# Altium PCB 51最小系统.PcbDoc (part 1 of 2)
Units mil, origin at the board's own origin, x right, y up, seen from the top; angles counter-clockwise.
Board outline 6000 x 4000 mil, 2 copper layers (Top Layer, Bottom Layer); 22 components, 39 nets, 138 pads, 0 vias.
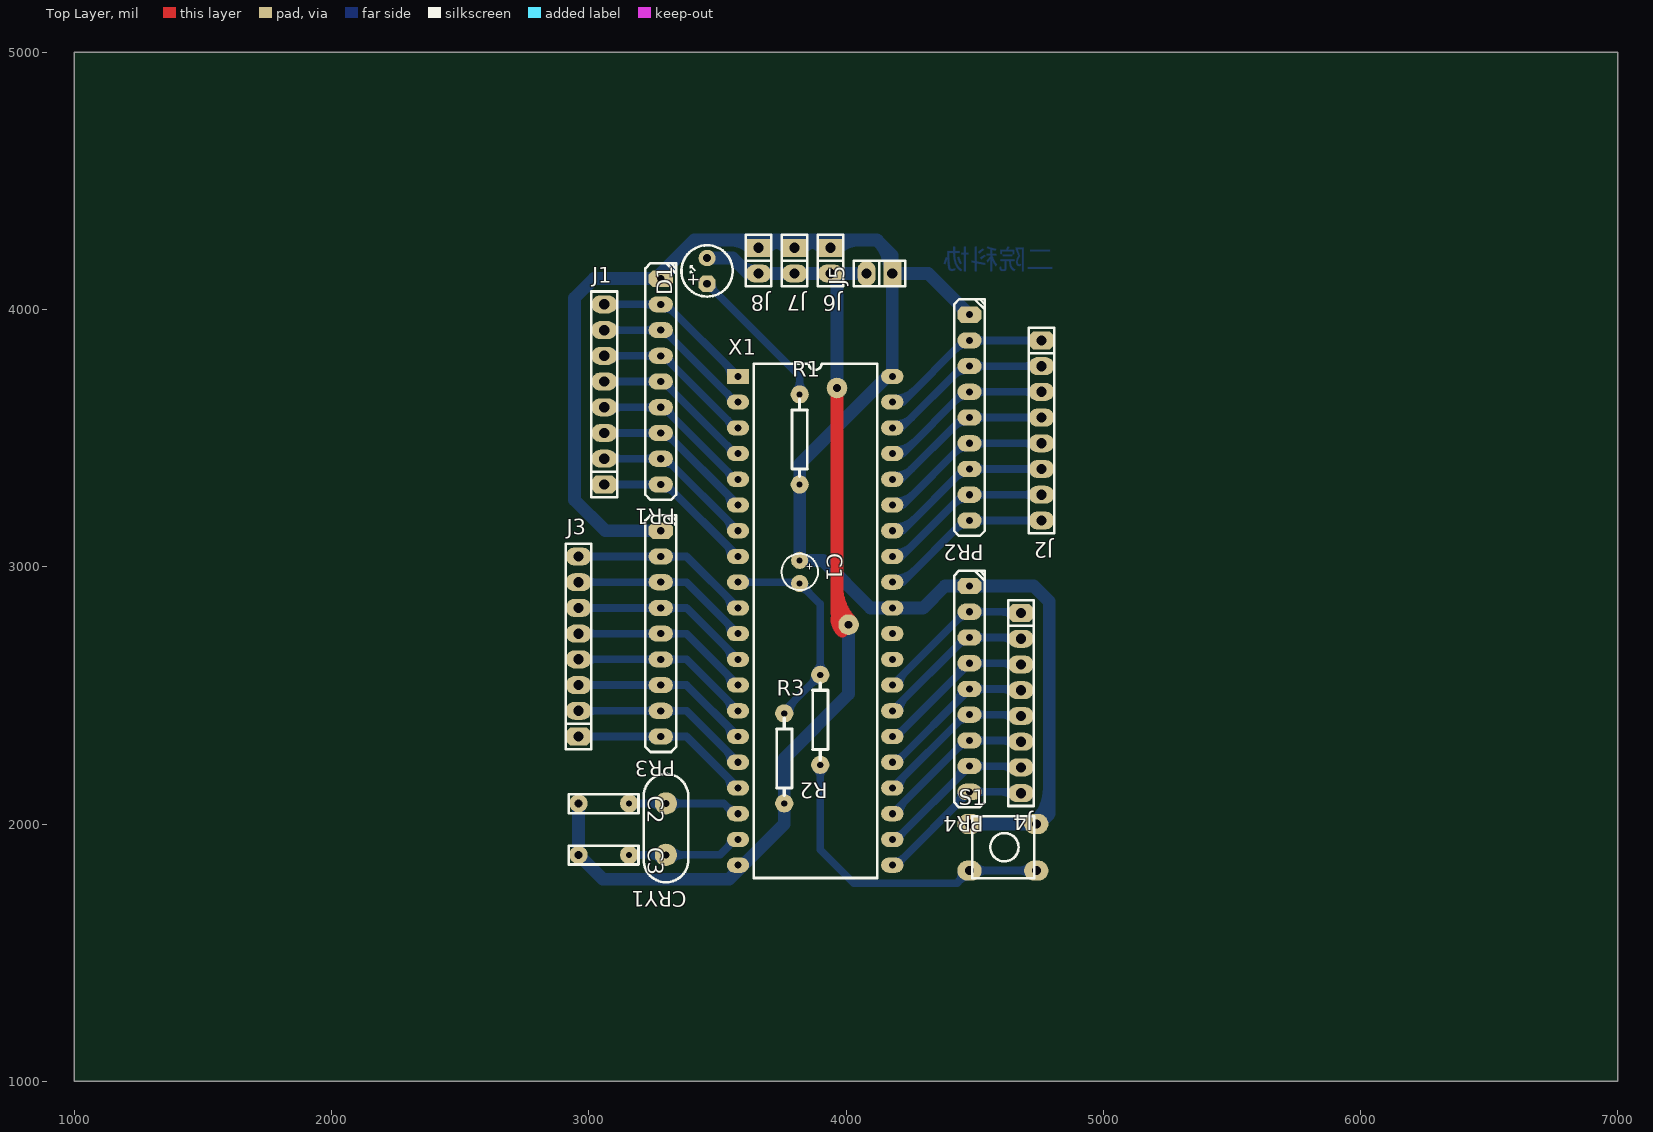
[diagram p0: Top Layer view]
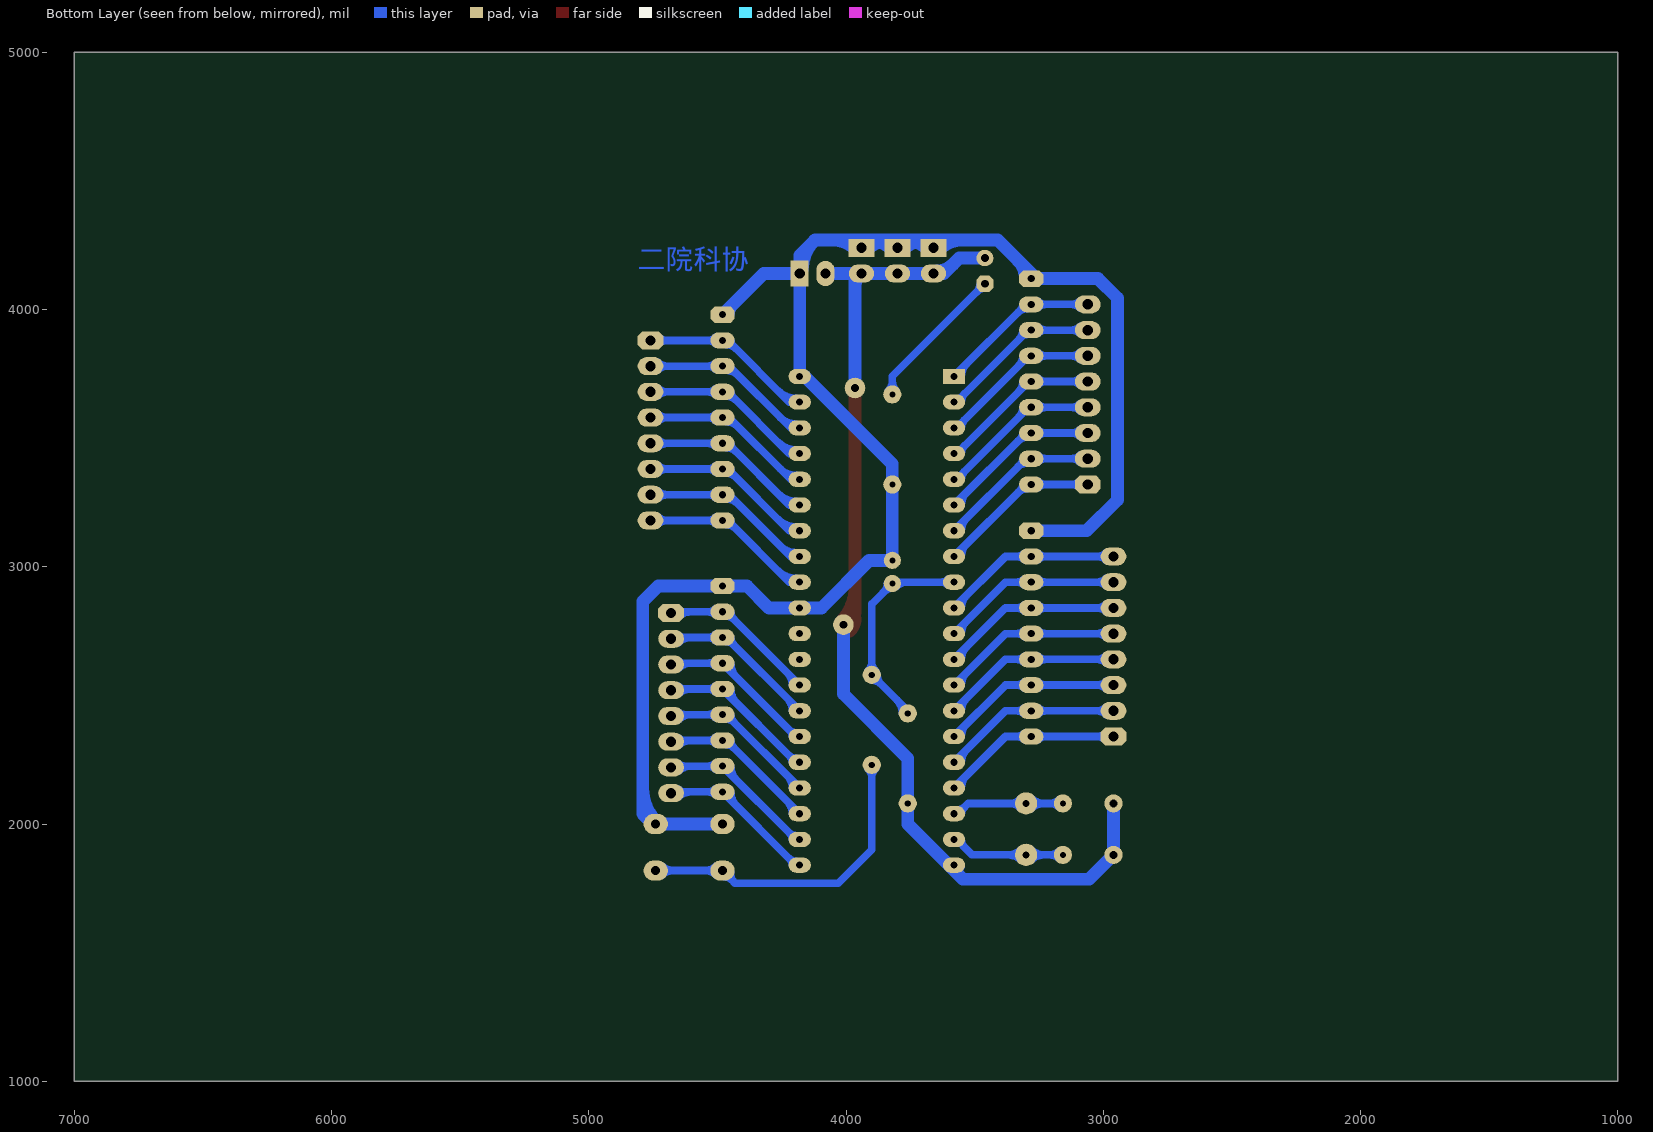
[diagram p1: Bottom Layer view, seen from below]

## Layer stack, top to bottom
Top Layer: signal copper 1.4
Dielectric: dielectric 12.6, FR-4, Dk 4.8
Bottom Layer: signal copper 1.4

## Board outline
1000,1000 7000,1000 7000,5000 1000,5000

## Design rules (kind name [scope] priority, off if disabled: settings)
Clearance [All] p1: gap=10
ComponentClearance [All] p1 off: gap=10 collisioncheckmode=3 verticalgap=10 showdistances=FALSE
Height [All] p1 off: minheight=0 maxheight=1000 prefheight=500
PolygonConnect [All] p1: connectstyle=Relief reliefconductorwidth=10 reliefentries=4 polygonreliefangle="90 Angle"
RoutingVias [All] p1: holewidth=28 width=50 viastyle="Through Hole" minholewidth=28 minwidth=50 maxholewidth=28 maxwidth=50
SilkscreenOverComponentPads [All] p1: minsilkscreentomaskgap=10
SolderMaskExpansion [All] p1: expansion=4
Width [All] p1: maxlimit=100 minlimit=10 preferedwidth=40
25 further rules are at their usual default settings.

## Classes and differential pairs
component class 51最小系统: C1 C2 C3 CRY1 D1 J1 J2 J3 J4 J5 PR1 PR2 PR3 PR4 R1 R2 R3 S1 X1

## Components (designator, comment, footprint, x,y, rotation, side; value= is the part's Value field where it differs from the comment)
C1 "CAP3" CAO1 3820,2980 r270 top
C2 "Cap" CAP2 2960,2080 r0 top
C3 "Cap" CAP2 2960,1880 r0 top
CRY1 "CRY1" JZ1 3300,1980 r270 top
D1 "LED" LED2 3460,4100 r90 top
J1 "CON8" sip-8 3060,3320 r90 top
J2 "CON8" sip-8 4760,3880 r270 top
J3 "CON8" sip-8 2960,2340 r90 top
J4 "CON8" sip-8 4680,2820 r270 top
J5 "CON2" sip-2 4180,4140 r180 top
J6 "CON2" sip-2 3940,4240 r270 top (schematic designator J5)
J7 "CON2" sip-2 3800,4240 r270 top (schematic designator J5)
J8 "CON2" sip-2 3660,4240 r270 top (schematic designator J5)
PR1 "PRES1" RP1 3280,4120 r270 top
PR2 "PRES1" RP1 4480,3980 r270 top
PR3 "PRES1" RP1 3280,3140 r270 top
PR4 "PRES1" RP1 4480,2925 r270 top
R1 "RES" AXIAL0.3 3820,3320 r90 top
R2 "RES" AXIAL0.3 3900,2580 r270 top
R3 "RES" AXIAL0.3 3760,2080 r90 top
S1 "SW-PB" SW6*6 4480,2000 r0 top
X1 "AT89S51" DIP-40 3580,3740 r0 top

## Footprints (in the part's own frame and the unit in brackets; to place one, negate y for a bottom-side part, rotate by r counter-clockwise, add the part's x,y. Pads: shape width x height; smd on the part's side, far side on the other; paste and mask are expansions set on the pad)
AXIAL0.3 [mm]
  round 1.8 hole 0.6: 1(0,0) 2(8.89,0)
  silkscreen extent 0.81,-0.76 8.43,0.76
CAO1 [mm]
  round 1.7 hole 0.6: 1(-1.143,0) 2(1.143,0)
  silkscreen extent -1.8,-1.8 1.8,1.8
CAP2 [mm]
  round 1.8 hole 0.8: 1(0,0)
  round 1.8 hole 0.6: 2(5,0)
  silkscreen extent -0.98,-0.95 5.93,0.9
DIP-40 [mm]
  rect 2.2x1.5 hole 0.7: 1(0,0)
  oval 2.2x1.5 hole 0.7: 2(0,-2.54) 3(0,-5.08) 4(0,-7.62) 5(0,-10.16) 6(0,-12.7) 7(0,-15.24) 8(0,-17.78) 9(0,-20.32) 10(0,-22.86) 11(0,-25.4) 12(0,-27.94) 13(0,-30.48) 14(0,-33.02) 15(0,-35.56) 16(0,-38.1) 17(0,-40.64) 18(0,-43.18) 19(0,-45.72) 20(0,-48.26) 21(15.24,-48.26) 22(15.24,-45.72) 23(15.24,-43.18) 24(15.24,-40.64) 25(15.24,-38.1) 26(15.24,-35.56) 27(15.24,-33.02) 28(15.24,-30.48) 29(15.24,-27.94) 30(15.24,-25.4) 31(15.24,-22.86) 32(15.24,-20.32) 33(15.24,-17.78) 34(15.24,-15.24) 35(15.24,-12.7) 36(15.24,-10.16) 37(15.24,-7.62) 38(15.24,-5.08) 39(15.24,-2.54) 40(15.24,0)
  silkscreen extent 1.55,-49.53 13.74,1.27
JZ1 [mm]
  round 2.2 hole 0.7: 1(-2.54,0) 2(2.54,0)
  silkscreen extent -5.45,-2.2 5.25,2.2
LED2 [mm]
  oct 1.6x1.7 hole 0.762: 1(0,0)
  oval 1.6x1.7 hole 0.762: 2(2.54,0)
  silkscreen extent -1.26,-2.53 3.8,2.53
RP1 [mm]
  oct 1.6x2.4 hole 0.7: 1(0,0)
  oval 1.6x2.4 hole 0.7: 2(2.54,0) 3(5.08,0) 4(7.62,0) 5(10.16,0) 6(12.7,0) 7(15.24,0) 8(17.78,0) 9(20.32,0)
  silkscreen extent -1.52,-1.52 21.84,1.52
sip-2 [mil]
  rect 70x100 hole 40: 1(0,0)
  oval 70x98.42 hole 40: 2(100,0)
  silkscreen extent -50,-50 150,50
sip-8 [mil]
  oct 70x100 hole 40: 1(0,0)
  oval 70x100 hole 40: 2(100,0) 3(200,0) 4(300,0) 5(400,0) 6(500,0) 7(600,0) 8(700,0)
  silkscreen extent -50,-50 750,50
SW6*6 [mm]
  oval 2.4x2 hole 0.9: 1(0,0) 1(6.6,0) 2(0,-4.6) 2(6.6,-4.6)
  silkscreen extent 0.28,-5.34 6.38,0.76

## Part data
C2 C3: "Capacitor"
CRY1: "6.0000 8.000  11.0592  12.0000 24.000"
J1 J2 J3 J4 J5 J6 J7 J8: "Connector"

## Free pads (board coordinates)
  round 80 hole 30: 0(3965,3695) 1(4010,2775)

## Nets (pads, with @x,y where several pads share a name; then routed paths per layer and width w, separated by ;. In a path a pad name is that pad's centre, name@x,y a point inside that pad or via, vN(x,y) a via of type N, cw(c..) or ccw(c..) an arc to the next point about the centre after c; other vN are vias at no path point)
GND: C2.1 C3.1 D1.2 J5.2 J6.2 J7.2 J8.2 pad.0 pad.1 R3.1 X1.20 | length 4879.6
  Top Layer w50: pad.0@3965,3695 3965,2820 pad.1@4010,2775 ; 3965,2799.14 ccw(c4034.14,2799.14) pad.1@3985.25,2750.25 ; 3965,2799.14 ccw(c4034.14,2799.14) pad.1@3985.25,2750.25 ; 3965,2799.14 ccw(c4034.14,2799.14) pad.1@3985.25,2750.25 ; 3965,2919.85 ccw(c4154.85,2919.85) pad.1@4020.61,2785.61 ; 3965,2919.85 ccw(c4154.85,2919.85) pad.1@4020.61,2785.61 ; 3965,2919.85 ccw(c4154.85,2919.85) pad.1@4020.61,2785.61
  Bottom Layer w50: C2.1@2960,2080 C3.1@2960,1880 3055,1785 3545,1785 3760,2000 R3.1@3760,2080 3760,2255 4010,2505 pad.1@4010,2775 ; D1.2@3460,4200 3560,4200 3620,4140 J6.2@3960,4140 ; 3584.69,4175.31 ccw(c3645.79,4236.4) J8.2@3645.79,4150 ; J6.2@3947.14,4132.93 cw(c3904.03,4089.81) 3965,4089.81 ; pad.0@3965,3695 3965,4135 J6.2@3960,4140 ; J5.2@4080,4140 J6.2@3960,4140 ; 3561.89,1801.89 ccw(c3543.84,1819.94) X1.20@3562.85,1836.98 ; 3561.89,1801.89 ccw(c3543.84,1819.94) X1.20@3562.85,1836.98 ; 3561.89,1801.89 ccw(c3543.84,1819.94) X1.20@3562.85,1836.98
NetC1_2: C1.2 R2.1 R3.2 X1.9 | length 1996.8
  Bottom Layer w30: X1.9@3580,2940 3815,2940 C1.2@3820,2935 3900,2855 R2.1@3900,2580 3760,2440 R3.2@3760,2430 ; X1.9@3604.05,2929.73 cw(c3628.85,2904.93) 3628.85,2940 ; X1.9@3604.05,2929.73 cw(c3628.85,2904.93) 3628.85,2940 ; X1.9@3604.05,2929.73 cw(c3628.85,2904.93) 3628.85,2940 ; X1.9@3604.05,2950.27 ccw(c3628.85,2975.07) 3628.85,2940 ; X1.9@3604.05,2950.27 ccw(c3628.85,2975.07) 3628.85,2940 ; X1.9@3604.05,2950.27 ccw(c3628.85,2975.07) 3628.85,2940 ; 3763.35,2940 cw(c3763.35,2878.35) C1.2@3806.94,2921.94 ; 3763.35,2940 cw(c3763.35,2878.35) C1.2@3806.94,2921.94 ; 3763.35,2940 cw(c3763.35,2878.35) C1.2@3806.94,2921.94 ; R3.2@3780.43,2430 cw(c3853.9,2430) 3801.95,2481.95 ; R3.2@3780.43,2430 cw(c3853.9,2430) 3801.95,2481.95 ; R3.2@3780.43,2430 cw(c3853.9,2430) 3801.95,2481.95 ; C1.2@3820,2916.54 cw(c3820,2871.96) 3851.52,2903.48 ; C1.2@3820,2916.54 cw(c3820,2871.96) 3851.52,2903.48 ; C1.2@3820,2916.54 cw(c3820,2871.96) 3851.52,2903.48 ; C1.2@3838.46,2935 ccw(c3883.04,2935) 3851.52,2903.48 ; C1.2@3838.46,2935 ccw(c3883.04,2935) 3851.52,2903.48 ; C1.2@3838.46,2935 ccw(c3883.04,2935) 3851.52,2903.48 ; 3865.12,2545.12 cw(c3900,2510.24) R2.1@3900,2559.57 ; 3865.12,2545.12 ccw(c3830.24,2580) R2.1@3879.57,2580 ; 3865.12,2545.12 cw(c3900,2510.24) R2.1@3900,2559.57 ; 3865.12,2545.12 ccw(c3830.24,2580) R2.1@3879.57,2580 ; 3865.12,2545.12 ccw(c3830.24,2580) R2.1@3879.57,2580 ; 3865.12,2545.12 cw(c3900,2510.24) R2.1@3900,2559.57 ; R2.1@3885.55,2594.45 ccw(c3850.67,2629.33) 3900,2629.33 ; R2.1@3885.55,2594.45 ccw(c3850.67,2629.33) 3900,2629.33 ; R2.1@3885.55,2594.45 ccw(c3850.67,2629.33) 3900,2629.33 ; 3900,2629.33 ccw(c3949.33,2629.33) R2.1@3914.45,2594.45 ; 3900,2629.33 ccw(c3949.33,2629.33) R2.1@3914.45,2594.45 ; 3900,2629.33 ccw(c3949.33,2629.33) R2.1@3914.45,2594.45
NetC2_2: C2.2 CRY1.1 X1.18 | length 1421
  Bottom Layer w30: C2.2@3156.85,2080 3360,2080 ; X1.18@3580,2040 3565,2040 3525,2080 3360,2080 ; C2.2@3171.3,2065.55 cw(c3206.18,2030.67) 3206.18,2080 ; C2.2@3171.3,2065.55 cw(c3206.18,2030.67) 3206.18,2080 ; C2.2@3171.3,2065.55 cw(c3206.18,2030.67) 3206.18,2080 ; C2.2@3171.3,2094.45 ccw(c3206.18,2129.33) 3206.18,2080 ; C2.2@3171.3,2094.45 ccw(c3206.18,2129.33) 3206.18,2080 ; C2.2@3171.3,2094.45 ccw(c3206.18,2129.33) 3206.18,2080 ; 3231.66,2080 cw(c3231.66,2011.66) CRY1.1@3279.98,2059.98 ; 3231.66,2080 ccw(c3231.66,2148.34) CRY1.1@3279.98,2100.02 ; 3231.66,2080 cw(c3231.66,2011.66) CRY1.1@3279.98,2059.98 ; 3231.66,2080 ccw(c3231.66,2148.34) CRY1.1@3279.98,2100.02 ; 3231.66,2080 ccw(c3231.66,2148.34) CRY1.1@3279.98,2100.02 ; 3231.66,2080 cw(c3231.66,2011.66) CRY1.1@3279.98,2059.98 ; CRY1.1@3321.85,2062 cw(c3360,2030.57) 3360,2080 ; CRY1.1@3321.85,2062 cw(c3360,2030.57) 3360,2080 ; CRY1.1@3321.85,2062 cw(c3360,2030.57) 3360,2080 ; CRY1.1@3321.85,2098 ccw(c3360,2129.43) 3360,2080 ; CRY1.1@3321.85,2098 ccw(c3360,2129.43) 3360,2080 ; CRY1.1@3321.85,2098 ccw(c3360,2129.43) 3360,2080 ; 3539.34,2065.66 ccw(c3566.22,2092.55) X1.18@3566.22,2054.53 ; 3539.34,2065.66 ccw(c3566.22,2092.55) X1.18@3566.22,2054.53 ; 3539.34,2065.66 ccw(c3566.22,2092.55) X1.18@3566.22,2054.53 ; 3542.28,2062.72 cw(c3519.57,2040) X1.18@3551.69,2040 ; 3542.28,2062.72 cw(c3519.57,2040) X1.18@3551.69,2040 ; 3542.28,2062.72 cw(c3519.57,2040) X1.18@3551.69,2040
NetC3_2: C3.2 CRY1.2 X1.19 | length 1428.7
  Bottom Layer w30: C3.2@3156.85,1880 3510,1880 3570,1940 X1.19@3580,1940 ; C3.2@3171.3,1865.55 cw(c3206.18,1830.67) 3206.18,1880 ; C3.2@3171.3,1865.55 cw(c3206.18,1830.67) 3206.18,1880 ; C3.2@3171.3,1865.55 cw(c3206.18,1830.67) 3206.18,1880 ; C3.2@3171.3,1894.45 ccw(c3206.18,1929.33) 3206.18,1880 ; C3.2@3171.3,1894.45 ccw(c3206.18,1929.33) 3206.18,1880 ; C3.2@3171.3,1894.45 ccw(c3206.18,1929.33) 3206.18,1880 ; 3231.66,1880 cw(c3231.66,1811.66) CRY1.2@3279.98,1859.98 ; 3231.66,1880 ccw(c3231.66,1948.34) CRY1.2@3279.98,1900.02 ; 3231.66,1880 cw(c3231.66,1811.66) CRY1.2@3279.98,1859.98 ; 3231.66,1880 ccw(c3231.66,1948.34) CRY1.2@3279.98,1900.02 ; 3231.66,1880 ccw(c3231.66,1948.34) CRY1.2@3279.98,1900.02 ; 3231.66,1880 cw(c3231.66,1811.66) CRY1.2@3279.98,1859.98 ; CRY1.2@3320.02,1859.98 cw(c3368.34,1811.66) 3368.34,1880 ; CRY1.2@3320.02,1859.98 cw(c3368.34,1811.66) 3368.34,1880 ; CRY1.2@3320.02,1859.98 cw(c3368.34,1811.66) 3368.34,1880 ; CRY1.2@3320.02,1900.02 ccw(c3368.34,1948.34) 3368.34,1880 ; CRY1.2@3320.02,1900.02 ccw(c3368.34,1948.34) 3368.34,1880 ; CRY1.2@3320.02,1900.02 ccw(c3368.34,1948.34) 3368.34,1880 ; 3538.75,1908.75 ccw(c3507.5,1940) X1.19@3551.69,1940 ; 3538.75,1908.75 ccw(c3507.5,1940) X1.19@3551.69,1940 ; 3538.75,1908.75 ccw(c3507.5,1940) X1.19@3551.69,1940
NetD1_1: D1.1 R1.2 | length 999.2
  Bottom Layer w30: D1.1@3460,4100 3820,3740 R1.2@3820,3670 ; D1.1@3461.97,4083.5 cw(c3461.97,4048.43) 3486.77,4073.23 ; D1.1@3461.97,4083.5 cw(c3461.97,4048.43) 3486.77,4073.23 ; D1.1@3461.97,4083.5 cw(c3461.97,4048.43) 3486.77,4073.23 ; D1.1@3478.46,4100 ccw(c3523.04,4100) 3491.52,4068.48 ; D1.1@3478.46,4100 ccw(c3523.04,4100) 3491.52,4068.48 ; D1.1@3478.46,4100 ccw(c3523.04,4100) 3491.52,4068.48 ; R1.2@3805.55,3684.45 ccw(c3770.67,3719.33) 3820,3719.33 ; R1.2@3805.55,3684.45 ccw(c3770.67,3719.33) 3820,3719.33 ; R1.2@3805.55,3684.45 ccw(c3770.67,3719.33) 3820,3719.33 ; 3820,3719.33 ccw(c3869.33,3719.33) R1.2@3834.45,3684.45 ; 3820,3719.33 ccw(c3869.33,3719.33) R1.2@3834.45,3684.45 ; 3820,3719.33 ccw(c3869.33,3719.33) R1.2@3834.45,3684.45
NetJ1_1: J1.1 PR1.9 X1.8 | length 1399.9
  Bottom Layer w30: J1.1@3060,3320 PR1.9@3280,3320 3300,3320 X1.8@3580,3040 ; J1.1@3089.14,3305.86 cw(c3123.28,3271.72) 3123.28,3320 ; J1.1@3089.14,3305.86 cw(c3123.28,3271.72) 3123.28,3320 ; J1.1@3089.14,3305.86 cw(c3123.28,3271.72) 3123.28,3320 ; J1.1@3089.14,3334.14 ccw(c3123.28,3368.28) 3123.28,3320 ; J1.1@3089.14,3334.14 ccw(c3123.28,3368.28) 3123.28,3320 ; J1.1@3089.14,3334.14 ccw(c3123.28,3368.28) 3123.28,3320 ; 3224.43,3320 cw(c3224.43,3280.18) PR1.9@3252.59,3308.34 ; 3224.43,3320 ccw(c3224.43,3359.82) PR1.9@3252.59,3331.66 ; 3224.43,3320 cw(c3224.43,3280.18) PR1.9@3252.59,3308.34 ; 3224.43,3320 ccw(c3224.43,3359.82) PR1.9@3252.59,3331.66 ; 3224.43,3320 ccw(c3224.43,3359.82) PR1.9@3252.59,3331.66 ; 3224.43,3320 cw(c3224.43,3280.18) PR1.9@3252.59,3308.34 ; PR1.9@3295.75,3303.5 cw(c3295.75,3253.41) 3331.17,3288.83 ; PR1.9@3295.75,3303.5 cw(c3295.75,3253.41) 3331.17,3288.83 ; PR1.9@3295.75,3303.5 cw(c3295.75,3253.41) 3331.17,3288.83 ; PR1.9@3312.24,3320 ccw(c3341.8,3320) 3320.9,3299.1 ; PR1.9@3312.24,3320 ccw(c3341.8,3320) 3320.9,3299.1 ; PR1.9@3312.24,3320 ccw(c3341.8,3320) 3320.9,3299.1 ; 3531.68,3088.32 cw(c3483.35,3040) X1.8@3551.69,3040 ; 3531.68,3088.32 cw(c3483.35,3040) X1.8@3551.69,3040 ; 3531.68,3088.32 cw(c3483.35,3040) X1.8@3551.69,3040
NetJ1_2: J1.2 PR1.8 X1.7 | length 1399.9
  Bottom Layer w30: J1.2@3060,3420 PR1.8@3280,3420 3300,3420 X1.7@3580,3140 ; J1.2@3089.14,3405.86 cw(c3123.28,3371.72) 3123.28,3420 ; J1.2@3089.14,3405.86 cw(c3123.28,3371.72) 3123.28,3420 ; J1.2@3089.14,3405.86 cw(c3123.28,3371.72) 3123.28,3420 ; J1.2@3089.14,3434.14 ccw(c3123.28,3468.28) 3123.28,3420 ; J1.2@3089.14,3434.14 ccw(c3123.28,3468.28) 3123.28,3420 ; J1.2@3089.14,3434.14 ccw(c3123.28,3468.28) 3123.28,3420 ; 3224.43,3420 cw(c3224.43,3380.18) PR1.8@3252.59,3408.34 ; 3224.43,3420 ccw(c3224.43,3459.82) PR1.8@3252.59,3431.66 ; 3224.43,3420 cw(c3224.43,3380.18) PR1.8@3252.59,3408.34 ; 3224.43,3420 ccw(c3224.43,3459.82) PR1.8@3252.59,3431.66 ; 3224.43,3420 ccw(c3224.43,3459.82) PR1.8@3252.59,3431.66 ; 3224.43,3420 cw(c3224.43,3380.18) PR1.8@3252.59,3408.34 ; PR1.8@3295.75,3403.5 cw(c3295.75,3353.41) 3331.17,3388.83 ; PR1.8@3295.75,3403.5 cw(c3295.75,3353.41) 3331.17,3388.83 ; PR1.8@3295.75,3403.5 cw(c3295.75,3353.41) 3331.17,3388.83 ; PR1.8@3312.24,3420 ccw(c3341.8,3420) 3320.9,3399.1 ; PR1.8@3312.24,3420 ccw(c3341.8,3420) 3320.9,3399.1 ; PR1.8@3312.24,3420 ccw(c3341.8,3420) 3320.9,3399.1 ; 3531.68,3188.32 cw(c3483.35,3140) X1.7@3551.69,3140 ; 3531.68,3188.32 cw(c3483.35,3140) X1.7@3551.69,3140 ; 3531.68,3188.32 cw(c3483.35,3140) X1.7@3551.69,3140
NetJ1_3: J1.3 PR1.7 X1.6 | length 1399.9
  Bottom Layer w30: J1.3@3060,3520 3300,3520 X1.6@3580,3240 ; J1.3@3089.14,3505.86 cw(c3123.28,3471.72) 3123.28,3520 ; J1.3@3089.14,3505.86 cw(c3123.28,3471.72) 3123.28,3520 ; J1.3@3089.14,3505.86 cw(c3123.28,3471.72) 3123.28,3520 ; J1.3@3089.14,3534.14 ccw(c3123.28,3568.28) 3123.28,3520 ; J1.3@3089.14,3534.14 ccw(c3123.28,3568.28) 3123.28,3520 ; J1.3@3089.14,3534.14 ccw(c3123.28,3568.28) 3123.28,3520 ; 3224.43,3520 cw(c3224.43,3480.18) PR1.7@3252.59,3508.34 ; 3224.43,3520 ccw(c3224.43,3559.82) PR1.7@3252.59,3531.66 ; 3224.43,3520 cw(c3224.43,3480.18) PR1.7@3252.59,3508.34 ; 3224.43,3520 ccw(c3224.43,3559.82) PR1.7@3252.59,3531.66 ; 3224.43,3520 ccw(c3224.43,3559.82) PR1.7@3252.59,3531.66 ; 3224.43,3520 cw(c3224.43,3480.18) PR1.7@3252.59,3508.34 ; PR1.7@3295.75,3503.5 cw(c3295.75,3453.41) 3331.17,3488.83 ; PR1.7@3295.75,3503.5 cw(c3295.75,3453.41) 3331.17,3488.83 ; PR1.7@3295.75,3503.5 cw(c3295.75,3453.41) 3331.17,3488.83 ; PR1.7@3312.24,3520 ccw(c3341.8,3520) 3320.9,3499.1 ; PR1.7@3312.24,3520 ccw(c3341.8,3520) 3320.9,3499.1 ; PR1.7@3312.24,3520 ccw(c3341.8,3520) 3320.9,3499.1 ; 3531.68,3288.32 cw(c3483.35,3240) X1.6@3551.69,3240 ; 3531.68,3288.32 cw(c3483.35,3240) X1.6@3551.69,3240 ; 3531.68,3288.32 cw(c3483.35,3240) X1.6@3551.69,3240
NetJ1_4: J1.4 PR1.6 X1.5 | length 1281.9
  Bottom Layer w30: J1.4@3060,3620 3290,3620 3570,3340 X1.5@3580,3340 ; J1.4@3089.14,3605.86 cw(c3123.28,3571.72) 3123.28,3620 ; J1.4@3089.14,3605.86 cw(c3123.28,3571.72) 3123.28,3620 ; J1.4@3089.14,3605.86 cw(c3123.28,3571.72) 3123.28,3620 ; J1.4@3089.14,3634.14 ccw(c3123.28,3668.28) 3123.28,3620 ; J1.4@3089.14,3634.14 ccw(c3123.28,3668.28) 3123.28,3620 ; J1.4@3089.14,3634.14 ccw(c3123.28,3668.28) 3123.28,3620 ; 3224.43,3620 cw(c3224.43,3580.18) PR1.6@3252.59,3608.34 ; 3224.43,3620 ccw(c3224.43,3659.82) PR1.6@3252.59,3631.66 ; 3224.43,3620 cw(c3224.43,3580.18) PR1.6@3252.59,3608.34 ; 3224.43,3620 ccw(c3224.43,3659.82) PR1.6@3252.59,3631.66 ; 3224.43,3620 ccw(c3224.43,3659.82) PR1.6@3252.59,3631.66 ; 3224.43,3620 cw(c3224.43,3580.18) PR1.6@3252.59,3608.34 ; PR1.6@3312.24,3620 ccw(c3365.95,3620) 3327.97,3582.03 ; PR1.6@3312.24,3620 ccw(c3365.95,3620) 3327.97,3582.03 ; PR1.6@3312.24,3620 ccw(c3365.95,3620) 3327.97,3582.03 ; 3538.75,3371.25 cw(c3507.5,3340) X1.5@3551.69,3340 ; 3538.75,3371.25 cw(c3507.5,3340) X1.5@3551.69,3340 ; 3538.75,3371.25 cw(c3507.5,3340) X1.5@3551.69,3340
NetJ1_5: J1.5 PR1.5 X1.4 | length 1281.9
  Bottom Layer w30: J1.5@3060,3720 3290,3720 3570,3440 X1.4@3580,3440 ; J1.5@3089.14,3705.86 cw(c3123.28,3671.72) 3123.28,3720 ; J1.5@3089.14,3705.86 cw(c3123.28,3671.72) 3123.28,3720 ; J1.5@3089.14,3705.86 cw(c3123.28,3671.72) 3123.28,3720 ; J1.5@3089.14,3734.14 ccw(c3123.28,3768.28) 3123.28,3720 ; J1.5@3089.14,3734.14 ccw(c3123.28,3768.28) 3123.28,3720 ; J1.5@3089.14,3734.14 ccw(c3123.28,3768.28) 3123.28,3720 ; 3224.43,3720 cw(c3224.43,3680.18) PR1.5@3252.59,3708.34 ; 3224.43,3720 ccw(c3224.43,3759.82) PR1.5@3252.59,3731.66 ; 3224.43,3720 cw(c3224.43,3680.18) PR1.5@3252.59,3708.34 ; 3224.43,3720 ccw(c3224.43,3759.82) PR1.5@3252.59,3731.66 ; 3224.43,3720 ccw(c3224.43,3759.82) PR1.5@3252.59,3731.66 ; 3224.43,3720 cw(c3224.43,3680.18) PR1.5@3252.59,3708.34 ; PR1.5@3312.24,3720 ccw(c3365.95,3720) 3327.97,3682.03 ; PR1.5@3312.24,3720 ccw(c3365.95,3720) 3327.97,3682.03 ; PR1.5@3312.24,3720 ccw(c3365.95,3720) 3327.97,3682.03 ; 3538.75,3471.25 cw(c3507.5,3440) X1.4@3551.69,3440 ; 3538.75,3471.25 cw(c3507.5,3440) X1.4@3551.69,3440 ; 3538.75,3471.25 cw(c3507.5,3440) X1.4@3551.69,3440
NetJ1_6: J1.6 PR1.4 X1.3 | length 1281.9
  Bottom Layer w30: J1.6@3060,3820 3290,3820 3570,3540 X1.3@3580,3540 ; J1.6@3089.14,3805.86 cw(c3123.28,3771.72) 3123.28,3820 ; J1.6@3089.14,3805.86 cw(c3123.28,3771.72) 3123.28,3820 ; J1.6@3089.14,3805.86 cw(c3123.28,3771.72) 3123.28,3820 ; J1.6@3089.14,3834.14 ccw(c3123.28,3868.28) 3123.28,3820 ; J1.6@3089.14,3834.14 ccw(c3123.28,3868.28) 3123.28,3820 ; J1.6@3089.14,3834.14 ccw(c3123.28,3868.28) 3123.28,3820 ; 3224.43,3820 cw(c3224.43,3780.18) PR1.4@3252.59,3808.34 ; 3224.43,3820 ccw(c3224.43,3859.82) PR1.4@3252.59,3831.66 ; 3224.43,3820 cw(c3224.43,3780.18) PR1.4@3252.59,3808.34 ; 3224.43,3820 ccw(c3224.43,3859.82) PR1.4@3252.59,3831.66 ; 3224.43,3820 ccw(c3224.43,3859.82) PR1.4@3252.59,3831.66 ; 3224.43,3820 cw(c3224.43,3780.18) PR1.4@3252.59,3808.34 ; PR1.4@3312.24,3820 ccw(c3365.95,3820) 3327.97,3782.03 ; PR1.4@3312.24,3820 ccw(c3365.95,3820) 3327.97,3782.03 ; PR1.4@3312.24,3820 ccw(c3365.95,3820) 3327.97,3782.03 ; 3538.75,3571.25 cw(c3507.5,3540) X1.3@3551.69,3540 ; 3538.75,3571.25 cw(c3507.5,3540) X1.3@3551.69,3540 ; 3538.75,3571.25 cw(c3507.5,3540) X1.3@3551.69,3540
NetJ1_7: J1.7 PR1.3 X1.2 | length 1353.3
  Bottom Layer w30: J1.7@3060,3920 PR1.3@3280,3920 3291.81,3920 3571.81,3640 X1.2@3580,3640 ; J1.7@3089.14,3905.86 cw(c3123.28,3871.72) 3123.28,3920 ; J1.7@3089.14,3905.86 cw(c3123.28,3871.72) 3123.28,3920 ; J1.7@3089.14,3905.86 cw(c3123.28,3871.72) 3123.28,3920 ; J1.7@3089.14,3934.14 ccw(c3123.28,3968.28) 3123.28,3920 ; J1.7@3089.14,3934.14 ccw(c3123.28,3968.28) 3123.28,3920 ; J1.7@3089.14,3934.14 ccw(c3123.28,3968.28) 3123.28,3920 ; 3224.43,3920 cw(c3224.43,3880.18) PR1.3@3252.59,3908.34 ; 3224.43,3920 ccw(c3224.43,3959.82) PR1.3@3252.59,3931.66 ; 3224.43,3920 cw(c3224.43,3880.18) PR1.3@3252.59,3908.34 ; 3224.43,3920 ccw(c3224.43,3959.82) PR1.3@3252.59,3931.66 ; 3224.43,3920 ccw(c3224.43,3959.82) PR1.3@3252.59,3931.66 ; 3224.43,3920 cw(c3224.43,3880.18) PR1.3@3252.59,3908.34 ; PR1.3@3295.75,3903.5 cw(c3295.75,3873.19) 3317.19,3894.62 ; PR1.3@3295.75,3903.5 cw(c3295.75,3873.19) 3317.19,3894.62 ; PR1.3@3295.75,3903.5 cw(c3295.75,3873.19) 3317.19,3894.62 ; PR1.3@3312.24,3920 ccw(c3361.58,3920) 3326.69,3885.12 ; PR1.3@3312.24,3920 ccw(c3361.58,3920) 3326.69,3885.12 ; PR1.3@3312.24,3920 ccw(c3361.58,3920) 3326.69,3885.12 ; 3537.47,3674.34 cw(c3503.13,3640) X1.2@3551.69,3640 ; 3537.47,3674.34 cw(c3503.13,3640) X1.2@3551.69,3640 ; 3537.47,3674.34 cw(c3503.13,3640) X1.2@3551.69,3640
NetJ1_8: J1.8 PR1.2 X1.1 | length 1399.9
  Bottom Layer w30: J1.8@3060,4020 PR1.2@3280,4020 3300,4020 X1.1@3580,3740 ; J1.8@3089.14,4005.86 cw(c3123.28,3971.72) 3123.28,4020 ; J1.8@3089.14,4005.86 cw(c3123.28,3971.72) 3123.28,4020 ; J1.8@3089.14,4005.86 cw(c3123.28,3971.72) 3123.28,4020 ; J1.8@3089.14,4034.14 ccw(c3123.28,4068.28) 3123.28,4020 ; J1.8@3089.14,4034.14 ccw(c3123.28,4068.28) 3123.28,4020 ; J1.8@3089.14,4034.14 ccw(c3123.28,4068.28) 3123.28,4020 ; 3224.43,4020 cw(c3224.43,3980.18) PR1.2@3252.59,4008.34 ; 3224.43,4020 ccw(c3224.43,4059.82) PR1.2@3252.59,4031.66 ; 3224.43,4020 cw(c3224.43,3980.18) PR1.2@3252.59,4008.34 ; 3224.43,4020 ccw(c3224.43,4059.82) PR1.2@3252.59,4031.66 ; 3224.43,4020 ccw(c3224.43,4059.82) PR1.2@3252.59,4031.66 ; 3224.43,4020 cw(c3224.43,3980.18) PR1.2@3252.59,4008.34 ; PR1.2@3295.75,4003.5 cw(c3295.75,3953.41) 3331.17,3988.83 ; PR1.2@3295.75,4003.5 cw(c3295.75,3953.41) 3331.17,3988.83 ; PR1.2@3295.75,4003.5 cw(c3295.75,3953.41) 3331.17,3988.83 ; PR1.2@3312.24,4020 ccw(c3341.8,4020) 3320.9,3999.1 ; PR1.2@3312.24,4020 ccw(c3341.8,4020) 3320.9,3999.1 ; PR1.2@3312.24,4020 ccw(c3341.8,4020) 3320.9,3999.1 ; 3531.68,3788.32 cw(c3483.35,3740) X1.1@3551.69,3740 ; 3531.68,3788.32 cw(c3483.35,3740) X1.1@3551.69,3740 ; 3531.68,3788.32 cw(c3483.35,3740) X1.1@3551.69,3740
NetJ2_1: J2.1 PR2.2 X1.39 | length 1514.1
  Bottom Layer w30: X1.39@4180,3640 4220,3640 4460,3880 PR2.2@4480,3880 J2.1@4760,3880 ; X1.39@4193.78,3654.53 ccw(c4193.78,3752.9) 4263.34,3683.34 ; X1.39@4193.78,3654.53 ccw(c4193.78,3752.9) 4263.34,3683.34 ; X1.39@4193.78,3654.53 ccw(c4193.78,3752.9) 4263.34,3683.34 ; 4428.83,3848.83 cw(c4464.25,3813.41) PR2.2@4464.25,3863.5 ; 4428.83,3848.83 cw(c4464.25,3813.41) PR2.2@4464.25,3863.5 ; 4428.83,3848.83 cw(c4464.25,3813.41) PR2.2@4464.25,3863.5 ; 4439.1,3859.1 ccw(c4418.2,3880) PR2.2@4447.76,3880 ; 4439.1,3859.1 ccw(c4418.2,3880) PR2.2@4447.76,3880 ; 4439.1,3859.1 ccw(c4418.2,3880) PR2.2@4447.76,3880 ; PR2.2@4507.41,3868.34 cw(c4535.57,3840.18) 4535.57,3880 ; PR2.2@4507.41,3868.34 cw(c4535.57,3840.18) 4535.57,3880 ; PR2.2@4507.41,3868.34 cw(c4535.57,3840.18) 4535.57,3880 ; PR2.2@4507.41,3891.66 ccw(c4535.57,3919.82) 4535.57,3880 ; PR2.2@4507.41,3891.66 ccw(c4535.57,3919.82) 4535.57,3880 ; PR2.2@4507.41,3891.66 ccw(c4535.57,3919.82) 4535.57,3880 ; 4696.72,3880 cw(c4696.72,3831.72) J2.1@4730.86,3865.86 ; 4696.72,3880 ccw(c4696.72,3928.28) J2.1@4730.86,3894.14 ; 4696.72,3880 cw(c4696.72,3831.72) J2.1@4730.86,3865.86 ; 4696.72,3880 ccw(c4696.72,3928.28) J2.1@4730.86,3894.14 ; 4696.72,3880 ccw(c4696.72,3928.28) J2.1@4730.86,3894.14 ; 4696.72,3880 cw(c4696.72,3831.72) J2.1@4730.86,3865.86
NetJ2_2: J2.2 PR2.3 X1.38 | length 1444.4
  Bottom Layer w30: X1.38@4180,3540 4215,3540 4455,3780 PR2.3@4480,3780 J2.2@4760,3780 ; X1.38@4193.78,3554.53 ccw(c4193.78,3640.83) 4254.81,3579.81 ; X1.38@4193.78,3554.53 ccw(c4193.78,3640.83) 4254.81,3579.81 ; X1.38@4193.78,3554.53 ccw(c4193.78,3640.83) 4254.81,3579.81 ; 4420.3,3745.3 cw(c4464.25,3701.34) PR2.3@4464.25,3763.5 ; 4420.3,3745.3 cw(c4464.25,3701.34) PR2.3@4464.25,3763.5 ; 4420.3,3745.3 cw(c4464.25,3701.34) PR2.3@4464.25,3763.5 ; PR2.3@4507.41,3768.34 cw(c4535.57,3740.18) 4535.57,3780 ; PR2.3@4507.41,3768.34 cw(c4535.57,3740.18) 4535.57,3780 ; PR2.3@4507.41,3768.34 cw(c4535.57,3740.18) 4535.57,3780 ; PR2.3@4507.41,3791.66 ccw(c4535.57,3819.82) 4535.57,3780 ; PR2.3@4507.41,3791.66 ccw(c4535.57,3819.82) 4535.57,3780 ; PR2.3@4507.41,3791.66 ccw(c4535.57,3819.82) 4535.57,3780 ; 4696.72,3780 cw(c4696.72,3731.72) J2.2@4730.86,3765.86 ; 4696.72,3780 ccw(c4696.72,3828.28) J2.2@4730.86,3794.14 ; 4696.72,3780 cw(c4696.72,3731.72) J2.2@4730.86,3765.86 ; 4696.72,3780 ccw(c4696.72,3828.28) J2.2@4730.86,3794.14 ; 4696.72,3780 ccw(c4696.72,3828.28) J2.2@4730.86,3794.14 ; 4696.72,3780 cw(c4696.72,3731.72) J2.2@4730.86,3765.86
NetJ2_3: J2.3 PR2.4 X1.37 | length 1514.1
  Bottom Layer w30: X1.37@4180,3440 4220,3440 4460,3680 PR2.4@4480,3680 J2.3@4760,3680 ; X1.37@4193.78,3454.53 ccw(c4193.78,3552.9) 4263.34,3483.34 ; X1.37@4193.78,3454.53 ccw(c4193.78,3552.9) 4263.34,3483.34 ; X1.37@4193.78,3454.53 ccw(c4193.78,3552.9) 4263.34,3483.34 ; 4428.83,3648.83 cw(c4464.25,3613.41) PR2.4@4464.25,3663.5 ; 4428.83,3648.83 cw(c4464.25,3613.41) PR2.4@4464.25,3663.5 ; 4428.83,3648.83 cw(c4464.25,3613.41) PR2.4@4464.25,3663.5 ; 4439.1,3659.1 ccw(c4418.2,3680) PR2.4@4447.76,3680 ; 4439.1,3659.1 ccw(c4418.2,3680) PR2.4@4447.76,3680 ; 4439.1,3659.1 ccw(c4418.2,3680) PR2.4@4447.76,3680 ; PR2.4@4507.41,3668.34 cw(c4535.57,3640.18) 4535.57,3680 ; PR2.4@4507.41,3668.34 cw(c4535.57,3640.18) 4535.57,3680 ; PR2.4@4507.41,3668.34 cw(c4535.57,3640.18) 4535.57,3680 ; PR2.4@4507.41,3691.66 ccw(c4535.57,3719.82) 4535.57,3680 ; PR2.4@4507.41,3691.66 ccw(c4535.57,3719.82) 4535.57,3680 ; PR2.4@4507.41,3691.66 ccw(c4535.57,3719.82) 4535.57,3680 ; 4696.72,3680 cw(c4696.72,3631.72) J2.3@4730.86,3665.86 ; 4696.72,3680 ccw(c4696.72,3728.28) J2.3@4730.86,3694.14 ; 4696.72,3680 cw(c4696.72,3631.72) J2.3@4730.86,3665.86 ; 4696.72,3680 ccw(c4696.72,3728.28) J2.3@4730.86,3694.14 ; 4696.72,3680 ccw(c4696.72,3728.28) J2.3@4730.86,3694.14 ; 4696.72,3680 cw(c4696.72,3631.72) J2.3@4730.86,3665.86
NetJ2_4: J2.4 PR2.5 X1.36 | length 1444.4
  Bottom Layer w30: X1.36@4180,3340 4215,3340 4455,3580 PR2.5@4480,3580 J2.4@4760,3580 ; X1.36@4193.78,3354.53 ccw(c4193.78,3440.83) 4254.81,3379.81 ; X1.36@4193.78,3354.53 ccw(c4193.78,3440.83) 4254.81,3379.81 ; X1.36@4193.78,3354.53 ccw(c4193.78,3440.83) 4254.81,3379.81 ; 4420.3,3545.3 cw(c4464.25,3501.34) PR2.5@4464.25,3563.5 ; 4420.3,3545.3 cw(c4464.25,3501.34) PR2.5@4464.25,3563.5 ; 4420.3,3545.3 cw(c4464.25,3501.34) PR2.5@4464.25,3563.5 ; PR2.5@4507.41,3568.34 cw(c4535.57,3540.18) 4535.57,3580 ; PR2.5@4507.41,3568.34 cw(c4535.57,3540.18) 4535.57,3580 ; PR2.5@4507.41,3568.34 cw(c4535.57,3540.18) 4535.57,3580 ; PR2.5@4507.41,3591.66 ccw(c4535.57,3619.82) 4535.57,3580 ; PR2.5@4507.41,3591.66 ccw(c4535.57,3619.82) 4535.57,3580 ; PR2.5@4507.41,3591.66 ccw(c4535.57,3619.82) 4535.57,3580 ; 4696.72,3580 cw(c4696.72,3531.72) J2.4@4730.86,3565.86 ; 4696.72,3580 ccw(c4696.72,3628.28) J2.4@4730.86,3594.14 ; 4696.72,3580 cw(c4696.72,3531.72) J2.4@4730.86,3565.86 ; 4696.72,3580 ccw(c4696.72,3628.28) J2.4@4730.86,3594.14 ; 4696.72,3580 ccw(c4696.72,3628.28) J2.4@4730.86,3594.14 ; 4696.72,3580 cw(c4696.72,3531.72) J2.4@4730.86,3565.86
NetJ2_5: J2.5 PR2.6 X1.35 | length 1514.1
  Bottom Layer w30: X1.35@4180,3240 4220,3240 4460,3480 PR2.6@4480,3480 J2.5@4760,3480 ; X1.35@4193.78,3254.53 ccw(c4193.78,3352.9) 4263.34,3283.34 ; X1.35@4193.78,3254.53 ccw(c4193.78,3352.9) 4263.34,3283.34 ; X1.35@4193.78,3254.53 ccw(c4193.78,3352.9) 4263.34,3283.34 ; 4428.83,3448.83 cw(c4464.25,3413.41) PR2.6@4464.25,3463.5 ; 4428.83,3448.83 cw(c4464.25,3413.41) PR2.6@4464.25,3463.5 ; 4428.83,3448.83 cw(c4464.25,3413.41) PR2.6@4464.25,3463.5 ; 4439.1,3459.1 ccw(c4418.2,3480) PR2.6@4447.76,3480 ; 4439.1,3459.1 ccw(c4418.2,3480) PR2.6@4447.76,3480 ; 4439.1,3459.1 ccw(c4418.2,3480) PR2.6@4447.76,3480 ; PR2.6@4507.41,3468.34 cw(c4535.57,3440.18) 4535.57,3480 ; PR2.6@4507.41,3468.34 cw(c4535.57,3440.18) 4535.57,3480 ; PR2.6@4507.41,3468.34 cw(c4535.57,3440.18) 4535.57,3480 ; PR2.6@4507.41,3491.66 ccw(c4535.57,3519.82) 4535.57,3480 ; PR2.6@4507.41,3491.66 ccw(c4535.57,3519.82) 4535.57,3480 ; PR2.6@4507.41,3491.66 ccw(c4535.57,3519.82) 4535.57,3480 ; 4696.72,3480 cw(c4696.72,3431.72) J2.5@4730.86,3465.86 ; 4696.72,3480 ccw(c4696.72,3528.28) J2.5@4730.86,3494.14 ; 4696.72,3480 cw(c4696.72,3431.72) J2.5@4730.86,3465.86 ; 4696.72,3480 ccw(c4696.72,3528.28) J2.5@4730.86,3494.14 ; 4696.72,3480 ccw(c4696.72,3528.28) J2.5@4730.86,3494.14 ; 4696.72,3480 cw(c4696.72,3431.72) J2.5@4730.86,3465.86
NetJ2_6: J2.6 PR2.7 X1.34 | length 1514.1
  Bottom Layer w30: X1.34@4180,3140 4220,3140 4460,3380 PR2.7@4480,3380 J2.6@4760,3380 ; X1.34@4193.78,3154.53 ccw(c4193.78,3252.9) 4263.34,3183.34 ; X1.34@4193.78,3154.53 ccw(c4193.78,3252.9) 4263.34,3183.34 ; X1.34@4193.78,3154.53 ccw(c4193.78,3252.9) 4263.34,3183.34 ; 4428.83,3348.83 cw(c4464.25,3313.41) PR2.7@4464.25,3363.5 ; 4428.83,3348.83 cw(c4464.25,3313.41) PR2.7@4464.25,3363.5 ; 4428.83,3348.83 cw(c4464.25,3313.41) PR2.7@4464.25,3363.5 ; 4439.1,3359.1 ccw(c4418.2,3380) PR2.7@4447.76,3380 ; 4439.1,3359.1 ccw(c4418.2,3380) PR2.7@4447.76,3380 ; 4439.1,3359.1 ccw(c4418.2,3380) PR2.7@4447.76,3380 ; PR2.7@4507.41,3368.34 cw(c4535.57,3340.18) 4535.57,3380 ; PR2.7@4507.41,3368.34 cw(c4535.57,3340.18) 4535.57,3380 ; PR2.7@4507.41,3368.34 cw(c4535.57,3340.18) 4535.57,3380 ; PR2.7@4507.41,3391.66 ccw(c4535.57,3419.82) 4535.57,3380 ; PR2.7@4507.41,3391.66 ccw(c4535.57,3419.82) 4535.57,3380 ; PR2.7@4507.41,3391.66 ccw(c4535.57,3419.82) 4535.57,3380 ; 4696.72,3380 cw(c4696.72,3331.72) J2.6@4730.86,3365.86 ; 4696.72,3380 ccw(c4696.72,3428.28) J2.6@4730.86,3394.14 ; 4696.72,3380 cw(c4696.72,3331.72) J2.6@4730.86,3365.86 ; 4696.72,3380 ccw(c4696.72,3428.28) J2.6@4730.86,3394.14 ; 4696.72,3380 ccw(c4696.72,3428.28) J2.6@4730.86,3394.14 ; 4696.72,3380 cw(c4696.72,3331.72) J2.6@4730.86,3365.86